# Altium PCB OpenBMS.PcbDoc (part 1 of 2) (continued)
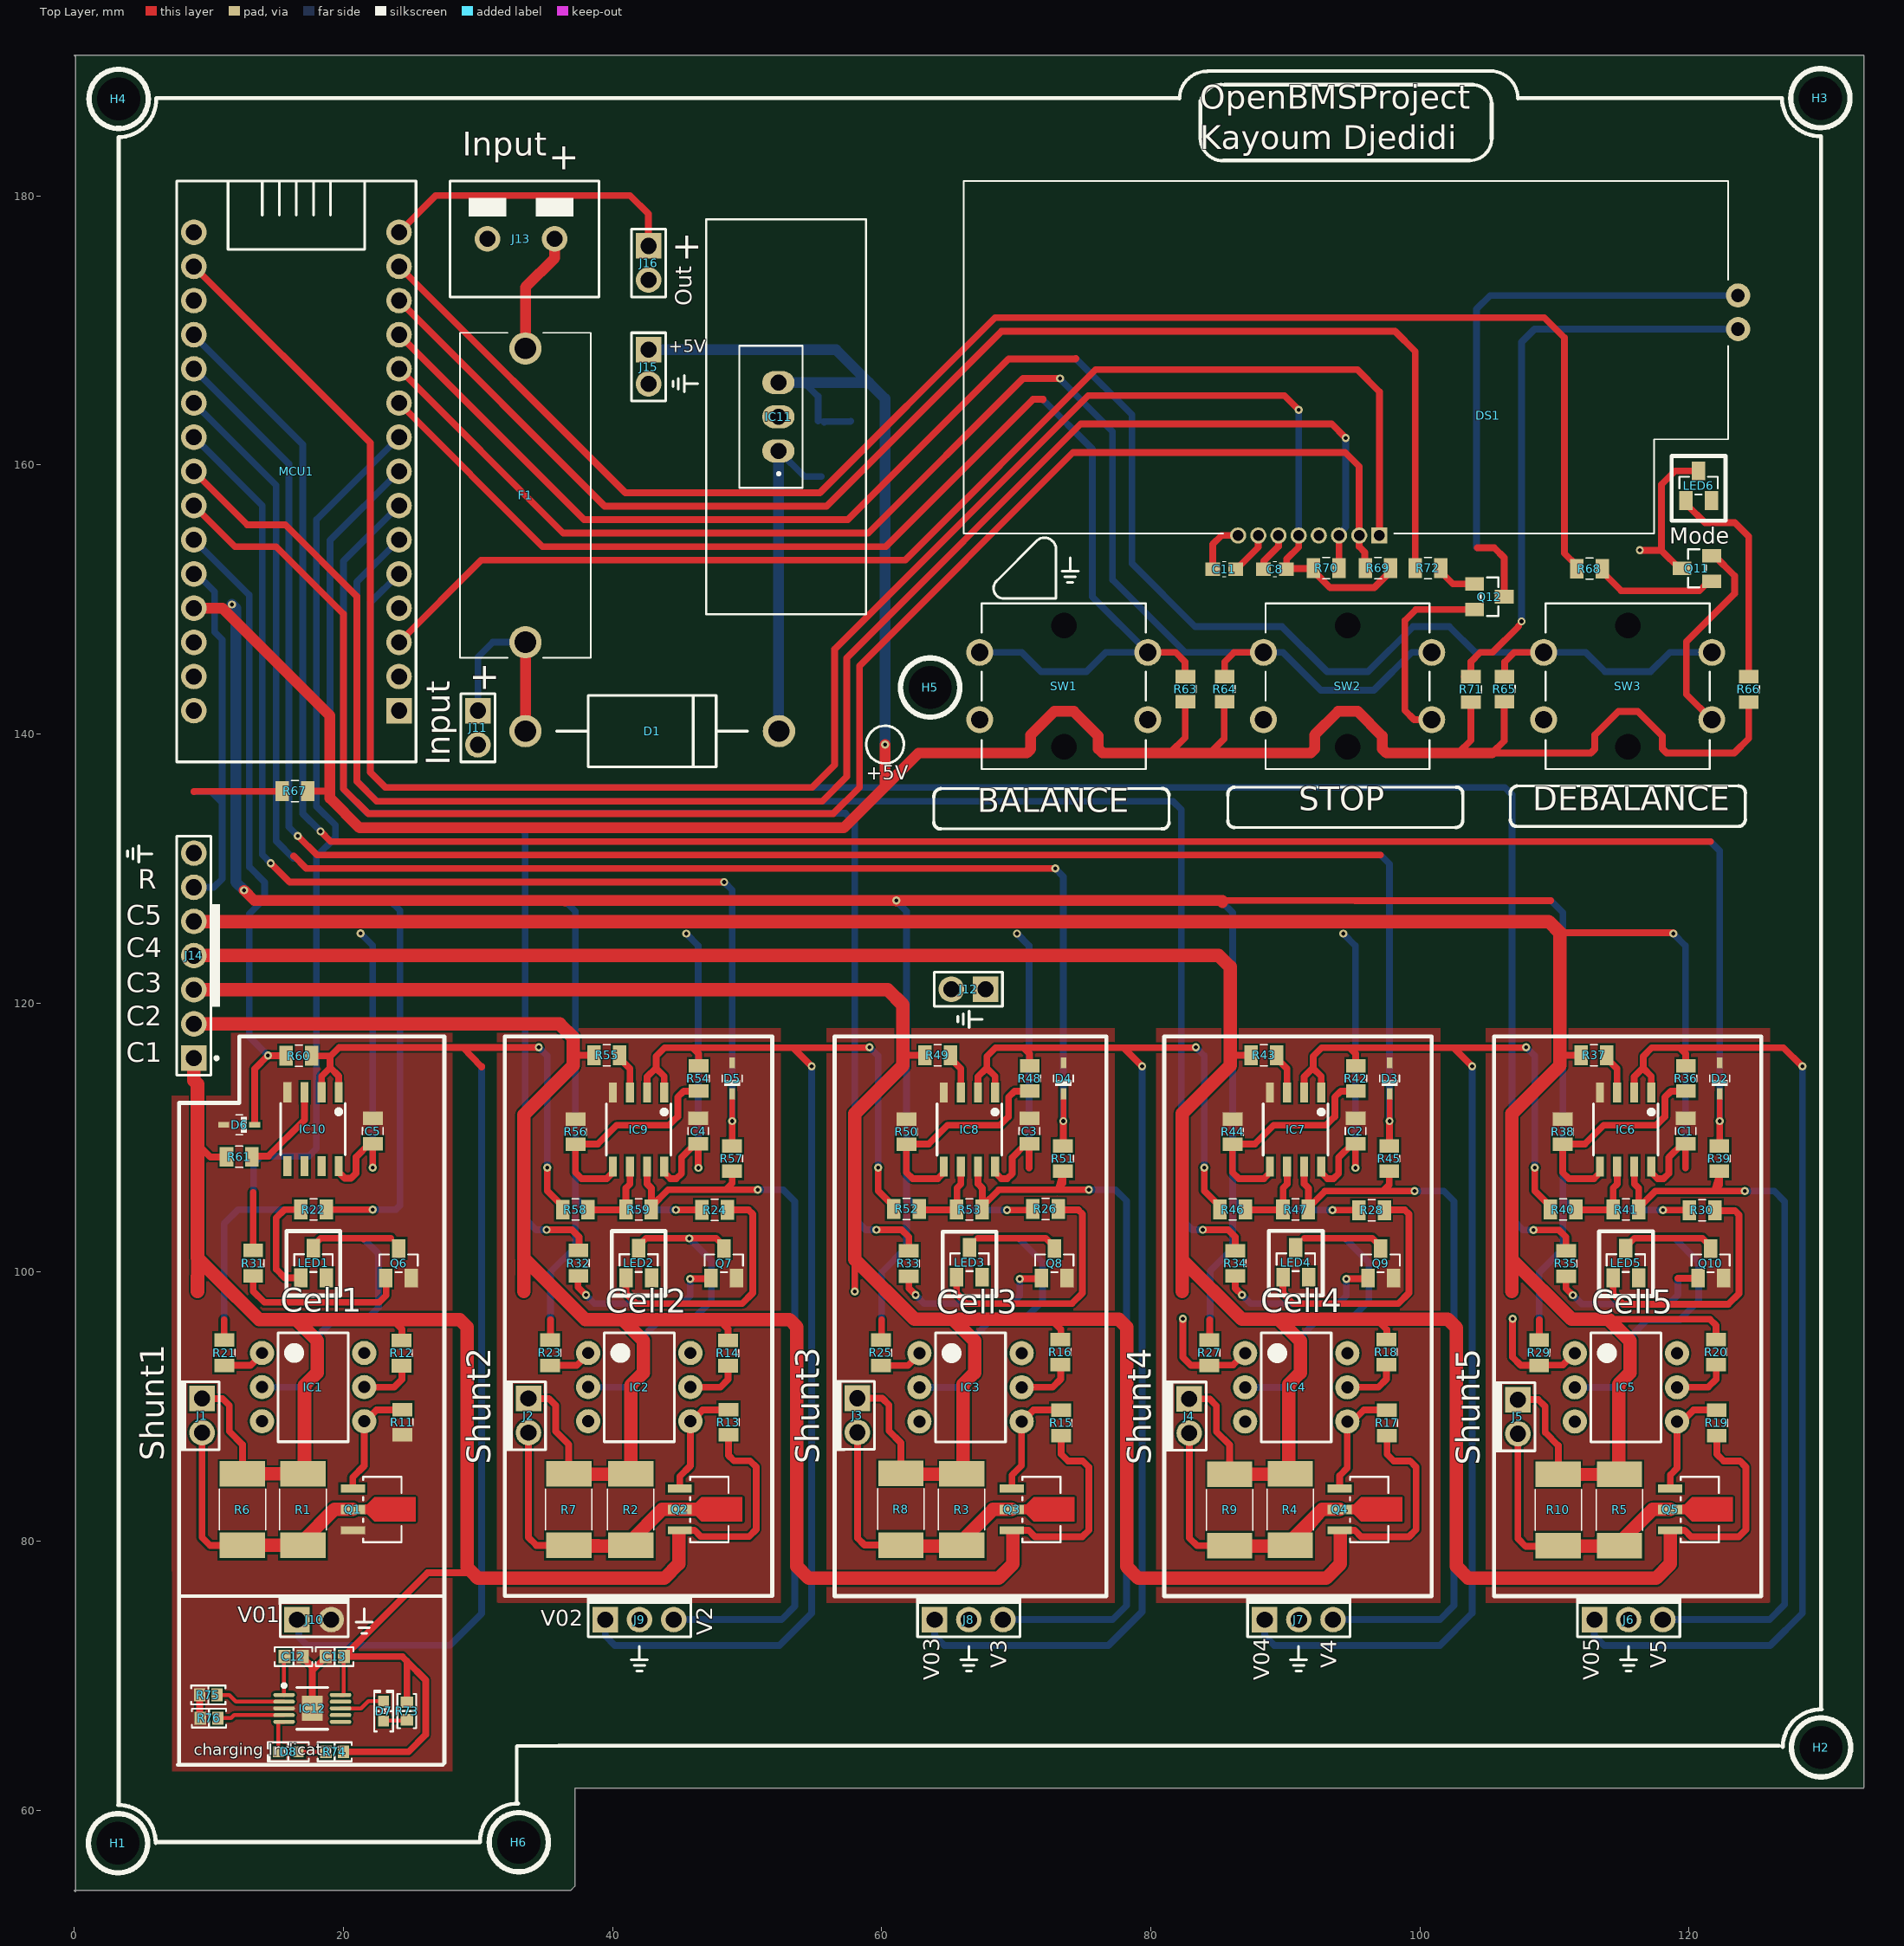
[diagram p0: Top Layer view]
## Components (designator, comment, footprint, x,y, rotation, side; value= is the part's Value field where it differs from the comment) (continued)
R22 "360R_125mW" R_0805 17.775,104.625 r180 top
R23 "100R_500mW" R_0805 35.381,94.005 r270 top
R24 "360R_125mW" R_0805 47.6,104.65 r0 top
R25 "100R_500mW" R_0805 59.963,94.005 r270 top
R26 "360R_125mW" R_0805 72.181,104.725 r0 top
R27 "100R_500mW" R_0805 84.37,94.005 r270 top
R28 "360R_125mW" R_0805 96.418,104.625 r0 top
R29 "100R_500mW" R_0805 108.873,94.005 r270 top
R30 "360R_125mW" R_0805 120.965,104.625 r0 top
R31 "4k7_125mW" R_0805 13.322,100.66 r270 top
R32 "4k7_125mW" R_0805 37.49,100.66 r270 top
R33 "4k7_125mW" R_0805 61.981,100.65 r90 top
R34 "4k7_125mW" R_0805 86.299,100.65 r270 top
R35 "4k7_125mW" R_0805 110.827,100.65 r90 top
R36 "10k_125mW" R_0805 119.741,114.4 r90 top
R37 "1k_125mW" R_0805 112.922,116.1 r180 top
R38 "10k_125mW" R_0805 110.587,110.439 r90 top
R39 "10k_125mW" R_0805 122.265,108.432 r270 top
R40 "10k_125mW" R_0805 110.63,104.625 r180 top
R41 "10k_125mW" R_0805 115.3,104.625 r180 top
R42 "10k_125mW" R_0805 95.212,114.4 r90 top
R43 "1k_125mW" R_0805 88.393,116.1 r180 top
R44 "10k_125mW" R_0805 86.058,110.439 r90 top
R45 "10k_125mW" R_0805 97.736,108.432 r270 top
R46 "10k_125mW" R_0805 86.083,104.625 r180 top
R47 "10k_125mW" R_0805 90.753,104.625 r180 top
R48 "10k_125mW" R_0805 70.975,114.4 r90 top
R49 "1k_125mW" R_0805 64.156,116.1 r180 top
R50 "10k_125mW" R_0805 61.821,110.439 r90 top
R51 "10k_125mW" R_0805 73.499,108.432 r270 top
R52 "10k_125mW" R_0805 61.846,104.675 r180 top
R53 "10k_125mW" R_0805 66.516,104.625 r180 top
R54 "10k_125mW" R_0805 46.371,114.4 r90 top
R55 "1k_125mW" R_0805 39.571,116.1 r180 top
R56 "10k_125mW" R_0805 37.236,110.439 r90 top
R57 "10k_125mW" R_0805 48.895,108.432 r270 top
R58 "10k_125mW" R_0805 37.236,104.622 r180 top
R59 "10k_125mW" R_0805 41.935,104.625 r180 top
R60 "10k_125mW" R_0805 16.7,116.1 r0 top
R61 "1k_125mW" R_0805 12.255,108.546 r180 top
R62 "33k_125mW" R_0805 57.68,162.305 r270 bottom
R63 "10k_125mW" R_0805 82.6,143.325 r270 top
R64 "10k_125mW" R_0805 85.506,143.325 r270 top
R65 "10k_125mW" R_0805 106.3,143.325 r270 top
R66 "360R_125mW" R_0805 124.4,143.325 r90 top
R67 "10k_125mW" R_0805 16.395,135.725 r180 top
R68 "10k_125mW" R_0805 112.6,152.306 r0 top
R69 "10k_125mW" R_0805 96.873,152.306 r180 top
R70 "10k_125mW" R_0805 93.045,152.356 r0 top
R71 "120R_125mW" R_0805 103.762,143.325 r90 top
R72 "10k_125mW" R_0805 100.6,152.357 r0 top
R73 "1.5 kOhms" "RES 0603_1608" 24.716,67.375 r270 top
R74 "1.5 kOhms" "RES 0603_1608" 19.351,64.35 r180 top
R75 "1 kOhms" "RES 0603_1608" 9.962,68.575 r0 top
R76 "2 kOhms" "RES 0603_1608" 10.014,66.85 r0 top
SW1 "B3F-4000" PUSH_BUTTON 67.279,146.063 r0 top
SW2 "B3F-4000" PUSH_BUTTON 88.373,146.063 r0 top
SW3 "B3F-4000" PUSH_BUTTON 109.189,146.063 r0 top

## Footprints (in the part's own frame and the unit in brackets; to place one, negate y for a bottom-side part, rotate by r counter-clockwise, add the part's x,y. Pads: shape width x height; smd on the part's side, far side on the other; paste and mask are expansions set on the pad)
ARDUINO_NANO_V3.0 [mm]
  rect 1.9x1.9 hole 1.2: 1(0,0)
  rect 1.9x1.9 on Mech15: 1(0,0)
  round 1.9 hole 1.2: 2(0,-2.54) 3(0,-5.08) 4(0,-7.62) 5(0,-10.16) 6(0,-12.7) 7(0,-15.24) 8(0,-17.78) 9(0,-20.32) 10(0,-22.86) 11(0,-25.4) 12(0,-27.94) 13(0,-30.48) 14(0,-33.02) 15(0,-35.56) 16(15.24,-35.56) 17(15.24,-33.02) 18(15.24,-30.48) 19(15.24,-27.94) 20(15.24,-25.4) 21(15.24,-22.86) 22(15.24,-20.32) 23(15.24,-17.78) 24(15.24,-15.24) 25(15.24,-12.7) 26(15.24,-10.16) 27(15.24,-7.62) 28(15.24,-5.08) 29(15.24,-2.54) 30(15.24,0)
  round 1.9 on Mech15: 2(0,-2.54) 3(0,-5.08) 4(0,-7.62) 5(0,-10.16) 6(0,-12.7) 7(0,-15.24) 8(0,-17.78) 9(0,-20.32) 10(0,-22.86) 11(0,-25.4) 12(0,-27.94) 13(0,-30.48) 14(0,-33.02) 15(0,-35.56) 16(15.24,-35.56) 17(15.24,-33.02) 18(15.24,-30.48) 19(15.24,-27.94) 20(15.24,-25.4) 21(15.24,-22.86) 22(15.24,-20.32) 23(15.24,-17.78) 24(15.24,-15.24) 25(15.24,-12.7) 26(15.24,-10.16) 27(15.24,-7.62) 28(15.24,-5.08) 29(15.24,-2.54) 30(15.24,0)
  silkscreen extent -1.27,-39.37 16.51,3.81, body extent -1.28,-41.11 16.51,3.81, height 12.72
C_0603 [mm]
  rect 1.1x1 smd: 1(-0.85,0) 2(0.85,0)
  rect 1.1x1 on Mech15: 1(-0.85,0) 2(0.85,0)
  silkscreen extent -0.13,-0.56 0.12,0.56, body extent -0.8,-0.4 0.8,0.4, height 0.89
C_0805 [mm]
  rect 1x1.47 smd: 1(-0.95,-0.025) 2(0.939,-0.025)
  rect 1x1.47 on Mech15: 1(-0.95,-0.025) 2(0.939,-0.025)
  silkscreen extent -0.27,-0.79 0.27,0.74, body extent -1.03,-0.65 0.97,0.6, height 1.44
"CAP 0603_1608" [mm] "Chip Capacitor, 2-Leads, Body 1.60x0.80mm, IPC Medium Density"
  rect 0.9x1 smd: 1(-0.675,0) 2(0.675,0)
  silkscreen extent -1.4,-0.7 1.4,0.7, body extent -0.8,-0.41 0.8,0.41, height 0.82
DIP6 [mm]
  round 1.8 hole 0.9: 1(0,0) 2(2.54,0) 3(5.08,0) 4(5.08,7.6) 5(2.54,7.6) 6(0,7.6)
  round 1.8 on Mech15: 1(0,0) 2(2.54,0) 3(5.08,0) 4(5.08,7.6) 5(2.54,7.6) 6(0,7.6)
  silkscreen extent -1.5,1.2 6.6,6.4, body extent -1.02,-0.15 6.1,7.72, height 4.35
DO-201AD [mm]
  round 2.4 hole 1.6: 1(0,0) 2(-18.84,0)
  round 2.4 on Mech15: 1(0,0) 2(-18.84,0)
  silkscreen extent -16.5,-2.65 -2.3,2.65, body extent -19.5,-2.82 0.64,2.82, height 5.63
FUSE_5X20 [mm]
  round 2.4 hole 1.6: 1(0,0) 2(21.84,0)
  round 2.4 on Mech15: 1(0,0) 2(21.84,0)
  silkscreen extent -1.16,-4.85 23,4.85, body extent -1.16,-4.85 23,4.85, height 10.81
HDR_1X2_2.54MM-MALE [mm]
  rect 1.9x1.9 hole 1.2: 1(0,0)
  rect 1.9x1.9 on Mech15: 1(0,0)
  round 1.9 hole 1.2: 2(0,-2.54)
  round 1.9 on Mech15: 2(0,-2.54)
  silkscreen extent -1.27,-3.81 1.27,1.26, body extent -1.25,-3.71 1.25,1.37, height 8.63
HDR_1X3_2.54MM-MALE [mm] "Connector; Header; 3 Position"
  rect 1.9x1.9 hole 1.2: 1(0,0)
  rect 1.9x1.9 on Mech15: 1(0,0)
  round 1.9 hole 1.2: 2(2.54,0) 3(5.08,0)
  round 1.9 on Mech15: 2(2.54,0) 3(5.08,0)
  silkscreen extent -1.27,-1.27 6.35,1.27, body extent -1.27,-1.27 6.35,1.27, height 9.21
HDR_1X7_2.54MM-MALE [mm]
  rect 1.9x1.9 hole 1.2: 1(0,0)
  rect 1.9x1.9 on Mech15: 1(0,0)
  round 1.9 hole 1.2: 2(0,-2.54) 3(0,-5.08) 4(0,-7.62) 5(0,-10.16) 6(0,-12.7) 7(0,-15.24)
  round 1.9 on Mech15: 2(0,-2.54) 3(0,-5.08) 4(0,-7.62) 5(0,-10.16) 6(0,-12.7) 7(0,-15.24)
  silkscreen extent -1.93,-16.51 1.27,1.27, body extent -4.06,-17.78 2.54,2.54, height 11.82
LCD_NHD-C0216CIZ-FSW-FBW-3V3 [mm]
  rect 1.2x1.2 hole 0.8: 1(5.25,-16.3)
  rect 1.2x1.2 on Mech15: 1(5.25,-16.3)
  round 1.2 hole 0.8: 2(3.75,-16.3) 3(2.25,-16.3) 4(0.75,-16.3) 5(-0.75,-16.3) 6(-2.25,-16.3) 7(-3.75,-16.3) 8(-5.25,-16.3)
  round 1.2 on Mech15: 2(3.75,-16.3) 3(2.25,-16.3) 4(0.75,-16.3) 5(-0.75,-16.3) 6(-2.25,-16.3) 7(-3.75,-16.3) 8(-5.25,-16.3)
  round 1.8 hole 1: A(31.9,-0.96) K(31.9,1.54)
  round 1.8 on Mech15: A(31.9,-0.96) K(31.9,1.54)
  silkscreen extent -25.65,-16.15 31.15,10.05, body extent -25.62,-16.47 32.18,10.03, height 6
"LED 0603_1608 BLUE" [mm] "Chip Diode, 2-Leads, Body 1.60x0.80mm, IPC Medium Density"
  rect 0.8x0.8 smd: 1(-0.75,0) 2(0.75,0)
  silkscreen extent -1.52,-0.7 1.52,0.7, body extent -0.8,-0.4 0.8,0.4, height 0.53
"LED 0603_1608 RED" [mm] "Chip Diode, 2-Leads, Body 1.60x0.80mm, IPC Medium Density"
  rect 0.8x0.8 smd: 1(-0.75,0) 2(0.75,0)
  silkscreen extent -1.52,-0.7 1.52,0.7, body extent -0.8,-0.4 0.8,0.4, height 0.53
LED_SOT23 [mm]
  rect 1x1.4 smd: 1(-0.95,-0.973) 2(0.95,-0.973) 3(0,1.227)
  rect 1x1.4 on Mech15: 1(-0.95,-0.973) 2(0.95,-0.973) 3(0,1.227)
  silkscreen extent -1.42,-0.53 1.42,0.79, body extent -1.5,-1.08 1.5,1.33, height 1.05
MOUNT_HOLE [mm] "Mounting Hole M2"
  round 2 hole 3.2 unplated mask+0.025: 1(0,0)
  silkscreen extent -2.2,-2.2 2.2,2.2
N_MOSFET [mm]
  rect 0.608x1.799 smd paste+0 mask+0: 1(-1.55,-2.322) 3(1.55,-2.322)
  rect 0.608x1.799 on Mech15 paste+0 mask+0: 1(-1.55,-2.322) 3(1.55,-2.322)
  rect 0.71x1.799 smd paste+0 mask+0: 2(0,-2.322)
  rect 0.71x1.799 on Mech15 paste+0 mask+0: 2(0,-2.322)
  Top Layer region: 0.355,-1.422 -0.355,-1.422 -0.355,-1.269 -0.901,-0.723 -0.901,2.328 0.901,2.328 0.901,-0.723 0.355,-1.269
  silkscreen extent -2.43,-1.55 2.43,1.3, body extent -2.25,-2.39 2.25,1.7, height 1.61
NPN_BJT_SOT23 [mm]
  rect 1x1.4 smd: 1(0,1.227) 2(-0.95,-0.973) 3(0.95,-0.973)
  rect 1x1.4 on Mech15: 1(0,1.227) 2(-0.95,-0.973) 3(0.95,-0.973)
  silkscreen extent -1.42,-0.53 1.42,0.79, body extent -1.45,-1.02 1.45,1.28, height 1.11
PUSH_BUTTON [mm]
  round 2 hole 1.3: 1(0,0) 2(12.5,0) 3(0,-5) 4(12.5,-5)
  round 2 on Mech15: 1(0,0) 2(12.5,0) 3(0,-5) 4(12.5,-5)
  round 1.5 hole 1.9: 5(6.25,-7.003) 6(6.25,1.997)
  round 1.5 on Mech15: 5(6.25,-7.003) 6(6.25,1.997)
  silkscreen extent 0.15,-8.67 12.35,3.65, body extent -0.65,-8.5 13.15,3.5, height 4.31
R_0805 [mm]
  rect 1x1.47 smd: 1(-0.95,-0.025) 2(0.939,-0.025)
  rect 1x1.47 on Mech15: 1(-0.95,-0.025) 2(0.939,-0.025)
  silkscreen extent -0.28,-0.81 0.26,0.76, body extent -1.03,-0.65 0.97,0.6, height 0.47
R_2512 [mm]
  rect 1.9x3.37 smd: 1(-2.66,0) 2(2.66,0)
  rect 1.9x3.37 on Mech15: 1(-2.66,0) 2(2.66,0)
  silkscreen extent -1.52,-1.73 1.52,1.73, body extent -3.2,-1.6 3.15,1.6, height 0.66
"RES 0603_1608" [mm] "Chip Resistor, 2-Leads, Body 1.60x0.80mm, IPC Medium Density"
  rect 0.85x0.95 smd: 1(-0.65,0) 2(0.65,0)
  silkscreen extent -1.27,-0.7 1.27,0.7, body extent -0.8,-0.4 0.8,0.4, height 0.45
SODFL2512X90N [mm]
  rect 0.82x0.42 smd: A(1.15,0) K(-1.15,0)
  rect 0.82x0.42 on Mech15: A(1.15,0) K(-1.15,0)
  silkscreen extent -0.56,-0.74 0.25,0.74, body extent -1.37,-0.67 1.33,0.68, height 0.78
SOIC8 [mm]
  rect 0.6x1.5 smd: 1(-1.905,-2.75) 2(-0.635,-2.75) 3(0.635,-2.75) 4(1.905,-2.75) 5(1.905,2.75) 6(0.635,2.75) 7(-0.635,2.75) 8(-1.905,2.75)
  silkscreen extent -2.4,-1.9 2.4,1.9, body extent -2.45,-3 2.45,3, height 1.75
TERMINAL_90_5MM [mm]
  round 1.9 hole 1.2: 1(0,0) 2(5,0)
  round 1.9 on Mech15: 1(0,0) 2(5,0)
  silkscreen extent -3.3,-4.3 7.77,4.34, body extent -3.05,-4.06 7.52,4.09, height 10.01
"TI PDSO-10 DCQ" [mm] "PDTSSOP, 10-Leads, Body 3.00x3.00mm, Pitch 0.50mm, Thermal Pad 1.88x1.57mm, IPC Medium Density"
  oval 1.6x0.3 smd: 1(-2.1,1) 2(-2.1,0.5) 3(-2.1,0) 4(-2.1,-0.5) 5(-2.1,-1) 6(2.1,-1) 7(2.1,-0.5) 8(2.1,0) 9(2.1,0.5) 10(2.1,1)
  rect 1.57x1.88 smd: 11(0,0)
  silkscreen extent -2.22,-1.55 1.15,1.82, body extent -2.46,-1.5 2.46,1.5, height 1.05
TO220 [mm]
  oval 1.7x2.4 hole 1.2: 1(0,0) 2(2.54,0) 3(5.08,0)
  oval 1.7x2.4 on Mech15: 1(0,0) 2(2.54,0) 3(5.08,0)
  silkscreen extent -12.14,-6.5 17.22,5.36, body extent -11.96,-6.32 17.04,5.18, height 20

## Part data
C1 C2 C3 C4 C5 C10: library part C_100nF_0805, "Capacitor [SMD]", Capacitance=100nF, Case/Package=0805, Case Code (Metric)=2012, Manufacturer=Murata, Manufacturer Part Number=GCJ21BL81H104KA01L, Max Operating Temperature=150°C, Min Operating Temperature=-55°C, Ratings=AEC-Q200, Supplier Part Number 1=81-GCJ21BL81H104KA1L, Tolerance=10%, Voltage Rating=50V, Case Code (Imperial)=0805, ComponentLink1Description=DATASHEET, ComponentLink1URL=https://hr.mouser.com/datasheet/2/281/GCJ21BL81H104KA01_01-1963909.pdf, ComponentLink2Description=BUY, ComponentLink2URL=https://hr.mouser.com/ProductDetail/Murata-Electronics/GCJ21BL81H104KA01L?qs=QzBtWTOodeX5ICEuC%252Bh33g%3D%3D, Features="Soft Termination", Mount="Surface Mount", Name=100n, Packaging="Tape and Reel", RoHS Compliant=Yes, Supplier 1=Mouser, Supplier Location 1=US, Supplier Packaging 1="Tape & Reel", Supplier Unit Price 1=$0.30
C6: library part C_4,7uF_0805, "Capacitor [SMD]", Capacitance=4.7uF, Case/Package=0805, Case Code (Metric)=2012, Dielectric=X5R, Manufacturer=Murata, Manufacturer Part Number=GRM21BR61H475KE51L, Max Operating Temperature=85°C, Min Operating Temperature=-55°C, Supplier Part Number 1=81-GRM21BR61H475KE1L, Tolerance=10%, Voltage Rating=50V, Case Code (Imperial)=0805, ComponentLink1Description=DATASHEET, ComponentLink1URL=https://hr.mouser.com/datasheet/2/281/1/GRM21BR61H475KE51_01A-1987025.pdf, ComponentLink2Description=BUY, ComponentLink2URL=https://hr.mouser.com/ProductDetail/Murata-Electronics/GRM21BR61H475KE51L?qs=eeBpzGFlv%252B%252BOtLzDC1PY6Q%3D%3D, Depth=1.25mm, Height=1.25mm, Lead Free="Lead Free", Length=2mm, Material=Ceramic, Mount="Surface Mount", Name=4,7uF, Packaging="Tape and Reel", REACH SVHC="No SVHC", RoHS Compliant=Yes, Supplier 1=Mouser, Supplier Location 1=US, Supplier Packaging 1="Tape & Reel", Supplier Unit Price 1=$0.35, Thickness=0.055inch, Voltage Rating (DC)=50V, Width=0.049inch
C7 C9: library part C_1uF_0805, "Capacitor [SMD]", Capacitance=1uF, Case/Package=0805, Case Code (Metric)=2012, Dielectric=X7R, Manufacturer=Murata, Manufacturer Part Number=GCJ21BR71H105KA01L, Max Operating Temperature=125°C, Min Operating Temperature=-55°C, Package Quantity=3000, Ratings=AEC-Q200, Supplier Part Number 1=81-GCJ21BR71H105KA1L, Tolerance=10%, Voltage Rating=50V, Case Code (Imperial)=0805, ComponentLink1Description=DATASHEET, ComponentLink1URL=https://hr.mouser.com/datasheet/2/281/GCJ21BR71H105KA01_01-1963894.pdf, ComponentLink2Description=BUY, ComponentLink2URL=https://hr.mouser.com/ProductDetail/Murata-Electronics/GCJ21BR71H105KA01L?qs=hNud%2FORuBR3CJcLH9kX5%252Bw%3D%3D, Features="Soft Termination", Height=1.25mm, Lead Free="Lead Free", Length=0.079inch, Mount="Surface Mount", Name=1uF, Packaging="Tape and Reel", RoHS Compliant=Yes, Supplier 1=Mouser, Supplier Location 1=US, Supplier Packaging 1="Tape & Reel", Supplier Unit Price 1=$0.32, Termination=SMD/SMT, Thickness=0.057inch, Voltage Rating (DC)=50V, Weight=0.000335oz, Width=0.049inch
C8 C11: library part C_1uF_0603, "Capacitor [SMD]", Capacitance=1uF, Case/Package=0603, Case Code (Metric)=1608, Dielectric=X5R, Manufacturer=Murata, Manufacturer Part Number=GRT188R61H105KE13D, Max Operating Temperature=85°C, Min Operating Temperature=-55°C, Ratings=AEC-Q200, Supplier Part Number 1=81-GRT188R61H105KE3D, Tolerance=10%, Voltage Rating=50V, Case Code (Imperial)=0603, ComponentLink1Description=DATASHEET, ComponentLink1URL=https://hr.mouser.com/datasheet/2/281/1/GRT188R61H105KE13_01-1989463.pdf, ComponentLink2Description=BUY, ComponentLink2URL=https://hr.mouser.com/ProductDetail/Murata-Electronics/GRT188R61H105KE13D?qs=drgMNd%252BkGPNIxxtJByMGCg%3D%3D, Length=0.063inch, Mount="Surface Mount", Name=1uF, Packaging="Tape and Reel", RoHS Compliant=Yes, Supplier 1=Mouser, Thickness=0.035inch, Voltage Rating (DC)=50V, Width=0.031inch
C12 C13: library part CC0603KRX5R8BB105, "CAP CER 1UF 25V X5R 0603", Device Package="0603 (1608 Metric)", Manufacturer=Yageo, Operating Temperature="-55°C ~ 85°C", Supplier Part Number 1=311-1445-1-ND, Temperature Coefficient=X5R, Tolerance=±10%, Voltage - Rated=25V, Applications="General Purpose", Capacitance=1µF, ComponentLink1Description=Datasheet, ComponentLink1URL=https://www.yageo.com/upload/media/product/productsearch/datasheet/mlcc/UPY-GPHC_X5R_4V-to-50V_25.pdf, ComponentLink2Description="DigiKey Link", ComponentLink2URL=http://digikey.com/product-detail/en/yageo/CC0603KRX5R8BB105/311-1445-1-ND/2833751, LastUpdated="21/01/2020 00:02:05", Lifecycle Status=Active, Minimum Order=1, Mounting Type="Surface Mount, MLCC", Package / Case="0603 (1608 Metric)", Packaging=TapeAndReel, Part Number=CC0603KRX5R8BB105, Part Status=Active, PartId=5146, Price=0.01, Series=CC, Size / Dimension="0.063\" L x 0.031\" W (1.60mm x 0.80mm)", Supplier 1=DigiKey, Thickness (Max)="0.035\" (0.90mm)"
D1: "Diode Schottky 40V 3A [TH]", Average Rectified Current=3A, Case/Package=DO-201AD, Forward Voltage=490mV, Manufacturer="Vishay Semiconductors", Manufacturer Part Number=SB340-E3/54, Max Forward Surge Current (Ifsm)=120A, Max Operating Temperature=125°C, Max Repetitive Reverse Voltage (Vrrm)=40V, Max Reverse Current=500uA, Min Operating Temperature=-65°C, Package="DO-201AD-201 Panjit", Package Quantity=1400, Supplier Part Number 1=625-SB340-E3/54, Availability=Unavailable, ComponentLink1Description=DATASHEET, ComponentLink1URL=https://hr.mouser.com/datasheet/2/427/VISH_S_A0001809294_1-2567748.pdf, ComponentLink2Description=BUY, ComponentLink2URL=https://hr.mouser.com/ProductDetail/Vishay-General-Semiconductor/SB340-E3-54?qs=u91jd7aysvMt27Sml4hAKw%3D%3D, Element Configuration=Single, Forward Current=3A, Height=5.8mm, Lead Free="Lead Free", Length=10mm, Max Reverse Leakage Current=500uA, Max Reverse Voltage (DC)=40V, Max Surge Current=120A, MF="ON Semiconductor", Mount="Through Hole", MP=1N5822, Name=SB340, Number of Pins=2, Packaging="Tape and Reel", Peak Non-Repetitive Surge Current=120A, Price=None, Radiation Hardening=No, REACH SVHC=Unknown, RoHS Compliant=Yes, Series=-, SnapEDA_Link=https://www.snapeda.com/parts/1N5822/ON%20Semiconductor/view-part/1356736/?ref=snap, Supplier 1=Mouser, Supplier Location 1=US, Supplier Packaging 1="Tape & Reel", Supplier Unit Price 1=$0.46, Width=5.8mm
D2 D3 D4 D5 D6: "Zener Single Diode, 4.7 V, 200 mW [SMD]", Case/Package=SOD−323FL, Forward Voltage=1V, Manufacturer="ON Semiconductor / Fairchild", Manufacturer Part Number=MM3Z4V7C, Max Operating Temperature=150°C, Max Power Dissipation=200mW, Max Reverse Current=2.7uA, Min Operating Temperature=-65°C, Package="SOD-323FL-2 ON Semiconductor", Package Quantity=1, Supplier Part Number 1=512-MM3Z4V7C, Test Current=5mA, Tolerance=5%, Working Voltage=4.7V, Availability=Good, Check_prices=https://www.snapeda.com/parts/1N4148WS/ON%20Semiconductor/view-part/2747266/?ref=eda, ComponentLink1Description=DATASHEET, ComponentLink1URL=https://hr.mouser.com/datasheet/2/308/1/MM3Z9V1C_D-2315854.pdf, ComponentLink2Description=BUY, ComponentLink2URL=https://hr.mouser.com/ProductDetail/onsemi-Fairchild/MM3Z4V7C?qs=sGAEpiMZZMtdo5lL%2F%252BX2BwKAOpX0rFyD, Element Configuration=Single, Height=1mm, Impedance=75R, Lead Free="Lead Free", Length=1.3mm, Max Reverse Leakage Current=2.7uA, MF="ON Semiconductor", Mount="Surface Mount", MP=1N4148WS, Number of Pins=2, Packaging="Tape and Reel", Power Dissipation=200mW, Price=None, Purchase-URL=https://pricing.snapeda.com/search/part/1N4148WS/?ref=eda, Radiation Hardening=No, RoHS Compliant=Yes, SnapEDA_Link=https://www.snapeda.com/parts/1N4148WS/ON%20Semiconductor/view-part/2747266/?ref=snap, Supplier 1=Mouser, Supplier Location 1=US, Supplier Packaging 1="Tape & Reel", Supplier Unit Price 1=$0.24, Type=Zener, Voltage Tolerance=5%, Weight=0.0276g, Width=1.7mm, Zener Voltage=4.7V
D7: library part 19-213USRC/S259/TR8, "LED RED CLEAR 2SMD", Current - Test=25mA, Device Package="0603 (1608 Metric)", Lens Color=Colorless, Manufacturer="Everlight Electronics Co Ltd", Supplier Device Package=2-SMD, Supplier Part Number 1=1080-1583-1-ND, Voltage - Forward (Vf) (Typ)=2.1V, Color=Red, ComponentLink1Description=Datasheet, ComponentLink1URL=//media.digikey.com/pdf/Data%20Sheets/Everlight%20PDFs/19-213USRC-S259-TR8.pdf, ComponentLink2Description="DigiKey Link", ComponentLink2URL=http://digikey.com/product-detail/en/everlight-electronics-co-ltd/19-213USRC-S259-TR8/1080-1583-1-ND/8535306, Configuration=Standard, Height (Max)=0.70mm, LastUpdated="21/01/2020 03:13:21", Lens Size="1.20mm x 0.80mm", Lens Style="Rectangle with Flat Top", Lens Transparency=Clear, Lifecycle Status=Active, Minimum Order=1, Mounting Type="Surface Mount", Package / Case="0603 (1608 Metric)", Packaging=TapeAndReel, Part Number=19-213USRC/S259/TR8, Part Status=Active, PartId=415, Price=0.03, Series=-, Size / Dimension="1.60mm L x 0.80mm W", Supplier 1=DigiKey, Viewing Angle=120°, Wavelength - Peak=639nm
D8: library part EAST16084BA8, "LED BLUE CLEAR 2SMD", Current - Test=5mA, Device Package="0603 (1608 Metric)", Lens Color=Colorless, Manufacturer="Everlight Electronics Co Ltd", Supplier Device Package=2-SMD, Supplier Part Number 1=1080-1562-1-ND, Voltage - Forward (Vf) (Typ)=2.8V, Color=Blue, ComponentLink1Description=Datasheet, ComponentLink1URL=https://everlightamericas.com/index.php?controller=attachment&id_attachment=3217, ComponentLink2Description="DigiKey Link", ComponentLink2URL=http://digikey.com/product-detail/en/everlight-electronics-co-ltd/EAST16084BA8/1080-1562-1-ND/8510390, Configuration=Standard, Height (Max)=0.50mm, LastUpdated="21/01/2020 03:10:56", Lens Size="1.00mm x 0.80mm", Lens Style="Rectangle with Flat Top", Lens Transparency=Clear, Lifecycle Status=Active, Minimum Order=1, Mounting Type="Surface Mount", Package / Case="0603 (1608 Metric)", Packaging=TapeAndReel, Part Number=EAST16084BA8, Part Status=Active, PartId=800, Price=0.05, Series=-, Size / Dimension="1.60mm L x 0.80mm W", Supplier 1=DigiKey, Viewing Angle=120°, Wavelength - Peak=468nm
DS1: "NHD-C0216CIZ-FSW-FBW-3V3 / LCD Display", Background Color=White, Manufacturer="Newhaven Display", Manufacturer Part Number=NHD-C0216CIZ-FSW-FBW-3V3, Max Operating Temperature=70°C, Min Operating Temperature=-20°C, Operating Supply Voltage=3V, Package=None, Package Quantity=100, Supplier Part Number 1=763-C0216CIZFSWFBW3V, Backlight Type=LED, ComponentLink1Description=DATASHEET, ComponentLink1URL=https://hr.mouser.com/datasheet/2/291/NHD_C0216CiZ_FSW_FBW_3V3-2904729.pdf, ComponentLink2Description=BUY, ComponentLink2URL=https://hr.mouser.com/ProductDetail/Newhaven-Display/NHD-C0216CiZ-FSW-FBW-3V3?qs=Vb5qD4CGh4kMzks2c1g3mA%3D%3D, Contrast Ratio=6:1, Digi-Key_Part_Number=NHD-C0216CIZ-FSW-FBW-3V3-ND, Digi-Key_Purchase_URL=https://www.digikey.com/product-detail/en/newhaven-display-intl/NHD-C0216CIZ-FSW-FBW-3V3/NHD-C0216CIZ-FSW-FBW-3V3-ND/2165872?utm_source=snapeda&utm_medium=aggregator&utm_campaign=symbol, Interface=I2C, MF=Newhaven, Mount="Through Hole", MP=NHD-C0216CIZ-FSW-FBW-3V3, Name="LCD Display", Number of Characters=32, Number of Pins=8, Packaging=Bulk, SnapEDA_Link=https://www.snapeda.com/parts/NHD-C0216CIZ-FSW-FBW-3V3/Newhaven%20Display%20Intl/view-part/1660867/?ref=snap, Supplier 1=Mouser, Supplier Location 1=US, Supplier Packaging 1=Bulk, Supplier Unit Price 1=$16.00
F1: "Fuse holder [TH]", Manufacturer=Littelfuse, Manufacturer Part Number=0PTF0078P, Package=None, Package Quantity=2000, Supplier Part Number 1=576-0PTF0078P, Availability=Unavailable, ComponentLink1Description=DATASHEET, ComponentLink1URL=https://hr.mouser.com/datasheet/2/240/Littelfuse-2891966.pdf, ComponentLink2Description=BUY, ComponentLink2URL=https://hr.mouser.com/ProductDetail/Littelfuse/0PTF0078P?qs=Co4VkB5J4%2Fsczy6gG8s%2FsA%3D%3D, MF=Keystone, Mount=PCB, MP=4527, Name="Fuse 1A", Number of Circuits=1, Packaging=Bulk, Price=None, SnapEDA_Link=https://www.snapeda.com/parts/4527/Keystone%20Electronics/view-part/475964/?ref=snap, Supplier 1=Mouser, Supplier Location 1=US, Supplier Packaging 1=Bulk, Supplier Unit Price 1=$0.59, Termination="PC Pin"
H1 H2 H3 H4 H5 H6: "Mounting Hole d = 3.2mm", Circumference diameter="4.4 mm", Circumference line width="0.5 mm", Hole Diameter="3.2 mm"
IC1 IC2 IC3 IC4 IC5: "Optocoupler [TH]", Case/Package=DIP-6, Collector Emitter Breakdown Voltage=30V, Collector Emitter Saturation Voltage=500mV, Current Transfer Ratio=50%, Forward Current=60mA, Forward Voltage=1.5V, Input Current=50mA, Isolation Voltage=5kV, Manufacturer="Vishay Semiconductors", Manufacturer Part Number=4N25, Max Collector Current=100mA, Max Operating Temperature=100°C, Max Power Dissipation=150mW, Min Operating Temperature=-55°C, Output Voltage=70V, Package Quantity=2000, Reverse Breakdown Voltage=5V, Supplier Part Number 1=78-4N25, Approvals=UL, Collector Emitter Voltage (VCEO)=30V, ComponentLink1Description=DATASHEET, ComponentLink1URL=https://hr.mouser.com/datasheet/2/427/VISHS81804_1-2566401.pdf, ComponentLink3Description=BUY, ComponentLink3URL=https://hr.mouser.com/ProductDetail/Vishay-Semiconductors/4N25?qs=8Ee2Dc0%2F0IdkAlKrFkNMCA%3D%3D, Contact Plating=Tin, Fall Time=2s, Lead Free="Lead Free", Max Input Current=60mA, Max Output Voltage=30V, Mount="Through Hole", Number of Channels=1, Number of Elements=1, Number of Pins=6, Output Current per Channel=50mA, Packaging=Rail/Tube, Power Dissipation=150mW, Radiation Hardening=No, REACH SVHC=Unknown, Rise Time=2s, RoHS=Yes, Supplier 1=Mouser
IC6 IC7 IC8 IC9 IC10: "Dual OP AMP [TH]", Case/Package=SOIC-8, Input Bias Current=5pA, Input Offset Voltage (Vos)=250uV, Manufacturer="Texas Instruments", Manufacturer_Part_Number=OPA2197IDR, Max Operating Temperature=125°C, Min Operating Temperature=-40°C, Mouser Part Number=595-OPA2197IDR, Operating Supply Current=1mA, Output Current per Channel=65mA, Bandwidth=10MHz, ComponentLink1Description=DATASHEET, ComponentLink1URL=https://www.ti.com/lit/ds/symlink/opa2197.pdf?HQS=dis-mous-null-mousermode-dsf-pf-null-wwe&ts=1646121857740&ref_url=https%253A%252F%252Fwww.mouser.de%252F, ComponentLink2Description=BUY, ComponentLink2URL=https://hr.mouser.com/ProductDetail/Texas-Instruments/OPA2197IDR?qs=LuYMPh7GGMTV7Fo%252BZRgbTw%3D%3D, Datasheet Link=https://componentsearchengine.com/Datasheets/2/OPA2197IDR.pdf, Gain Bandwidth Product=10MHz, Height=1.75mm, Lead Free="Lead Free", Manufacturer_Name="Texas Instruments", Manufacturer Part Number=OPA2197IDR, Mount="Surface Mount", Mouser Price/Stock=https://www.mouser.com/Search/Refine.aspx?Keyword=595-OPA2197IDR, Number of Amplifiers=2, Number of Channels=2, Number of Circuits=2, Number of Pins=8, Packaging="Cut Tape", REACH SVHC="No SVHC", RoHS Compliant=Yes, Slew Rate=20V/µs, Supplier 1=Mouser, Supplier Location 1=US, Supplier Packaging 1="Tape & Reel", Supplier Part Number 1=595-OPA2197IDR, Supplier Unit Price 1=$2.72
IC11: "Linear Voltage Regulator 5V [TH] with thermal pad mounted to Fischer elektronik SK09 - 20mm heatsink with a screw and nut", Case/Package=TO-220, Dropout Voltage=2V, Manufacturer=STMicroelectronics, Manufacturer Part Number=L7805C-V, Max Input Voltage=35V, Max Operating Temperature=125°C, Max Output Current=1.5A, Min Input Voltage=7V, Min Operating Temperature=0°C, Min Output Voltage=5V, Package="TO-220 ON Semiconductor", Package Quantity=1000, Power Supply Rejection Ratio (PSRR)=62dB, Quiescent Current=8mA, Supplier Part Number 1=511-L7805CV, Tolerance=5%, Availability=Unavailable, ComponentLink1Description=Rregulator_DATASHEET, ComponentLink1URL=https://hr.mouser.com/datasheet/2/389/cd00000444-1795274.pdf, ComponentLink2Description=Regulator_BUY, ComponentLink2URL=https://hr.mouser.com/ProductDetail/STMicroelectronics/L7805CV?qs=9NrABl3fj%2FqplZAHiYUxWg%3D%3D, ComponentLink3Description="Heatsink_OFFICIAL PAGE", ComponentLink3URL=https://www.fischerelektronik.de/web_fischer/en_GB/heatsinks/A01/Standard%20extruded%20heatsinks/PG/SK09/search.xhtml, ComponentLink4Description=Heatsink_BUY, ComponentLink4URL=https://www.tme.eu/en/details/sk09-20sa220/heatsinks/fischer-elektronik/sk-09-20-sa-to-220/, Contact Plating=Gold, Height=9.15mm, Lead Free="Lead Free", Length=10.4mm, MF="ON Semiconductor", Mount="Through Hole", MP=LM7805CT, Name=LM7805, Nominal Output Voltage=5V, Number of Outputs=1, Number of Pins=3, Number of Regulators=1, Output Configuration=Positive, Output Current=1.5A, Output Type=Fixed, Output Voltage=5V, Packaging=Rail/Tube, Polarity=Positive, Price=None, Radiation Hardening=No, REACH SVHC="No SVHC", RoHS Compliant=Yes, Series=-, SnapEDA_Link=https://www.snapeda.com/parts/LM7805CT/ON%20Semiconductor/view-part/546231/?ref=snap, Supplier 1=Mouser, Supplier Location 1=US, Supplier Packaging 1=Tube, Supplier Unit Price 1=$0.63, Weight=0.08113oz, Width=4.6mm